# Altium PCB PCB6A.PcbDoc (part 2 of 2)
Units mm, origin at the board's own origin, x right, y up, seen from the top; angles counter-clockwise.
Board outline 80.71 x 74.12 mm, 4 copper layers (Top Layer, Ground, Power, Bottom Layer), stack 0.603 mm thick; 75 components, 88 nets, 326 pads, 660 vias.
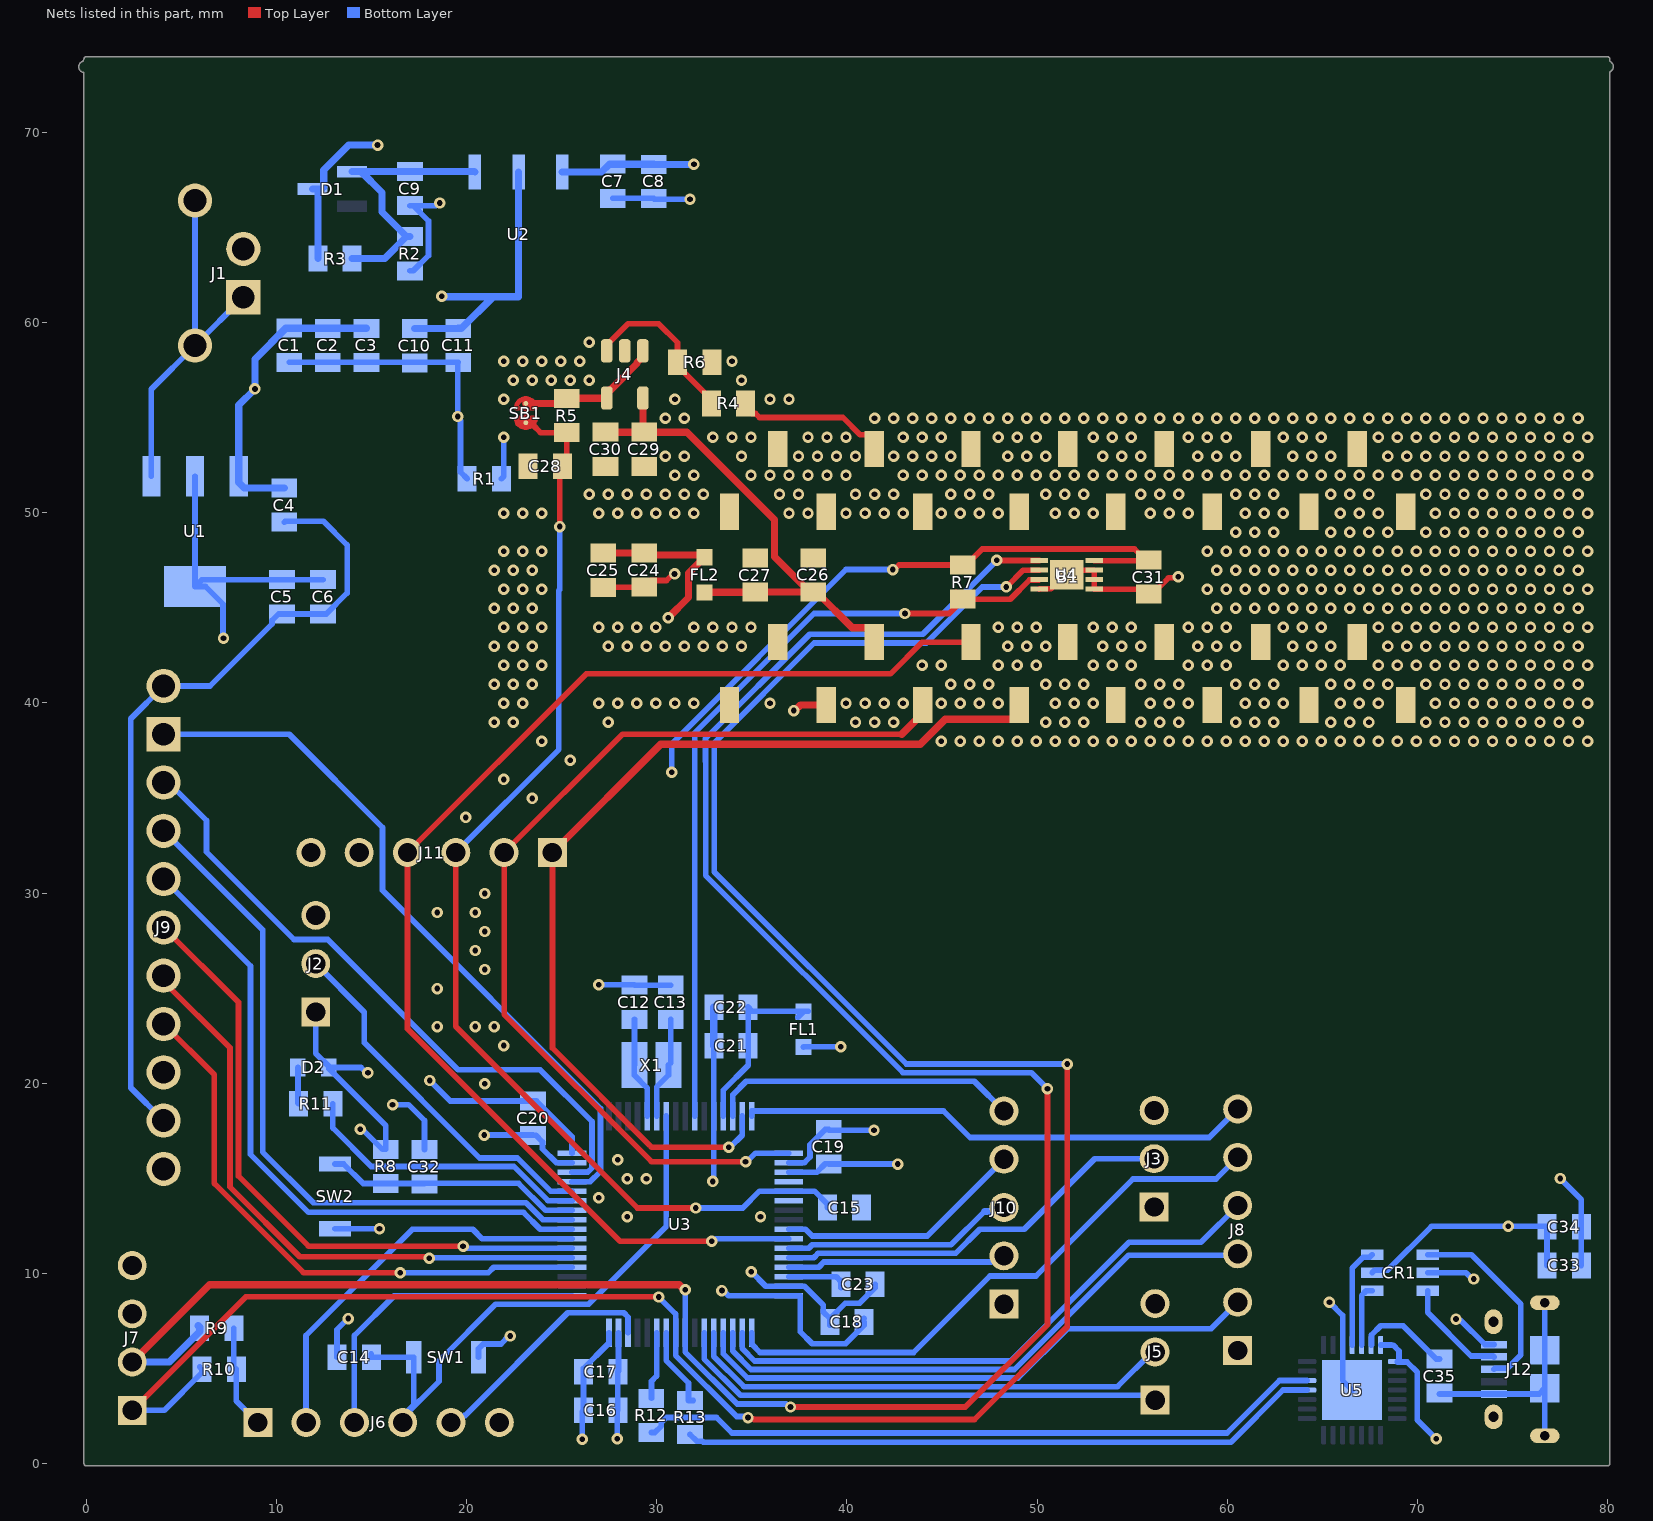
[diagram p4: the nets of this part, all layers, seen from the top]

## Via types
v1: diameter 0.6, hole 0.3, Top Layer to Bottom Layer, 660 vias

## Nets (pads, with @x,y where several pads share a name; then routed paths per layer and width w, separated by ;. In a path a pad name is that pad's centre, name@x,y a point inside that pad or via, vN(x,y) a via of type N, cw(c..) or ccw(c..) an arc to the next point about the centre after c; other vN are vias at no path point)
AGND: B1.6 B1.7 B1.8 B1.9 B1.10 B1.11 B1.12 B1.13 B1.14 B1.15 B1.16 B1.17 B1.18 B1.19 B1.20 B1.22 B1.G1 B1.G2 B1.G3 B1.G4 B1.G5 B1.G6 B1.G7 B1.G8 C15.1 C21.2 C22.2 C26.2 C27.2 C28.1 C29.2 C30.2 J4.2 R1.1 R6.2 U3.12 U3.20 U3.22 | length 11.4
  Bottom Layer w0.3: R1.1@21.83,51.791 21.955,51.916 v1(21.955,53.979) ; v1@32.954,14.823 v1(32.944,14.834) 32.992,14.882 U3.12@32.992,18.273 ; U3.12@33.001,18.282 C21.2@33.001,21.962
  Bottom Layer w0.381: C22.2@32.998,24.003 33.004,23.998 33.004,21.977 C21.2@33.009,21.971 C21.2@33.001,21.962
  other v1: 28.455,12.979 35.455,12.979 26.955,13.979 28.455,14.979 29.455,14.979 27.955,15.979 20.955,19.979 21.955,21.979 18.455,22.979 20.455,22.979 21.455,22.979 18.455,24.979 20.955,25.979 20.455,26.979 20.955,27.979 18.455,28.979 20.455,28.979 20.955,29.979 19.955,33.979 23.455,34.979 21.955,35.979 25.455,36.979 23.955,37.979 44.955,37.979 45.955,37.979 46.955,37.979 47.955,37.979 48.955,37.979 49.955,37.979 50.955,37.979 51.955,37.979 52.955,37.979 53.955,37.979 54.955,37.979 55.955,37.979 56.955,37.979 57.955,37.979 58.955,37.979 59.955,37.979 60.955,37.979 61.955,37.979 62.955,37.979 63.955,37.979 64.955,37.979 65.955,37.979 66.955,37.979 67.955,37.979 68.955,37.979 69.955,37.979 70.955,37.979 71.955,37.979 72.955,37.979 73.955,37.979 74.955,37.979 75.955,37.979 76.955,37.979 77.955,37.979 78.955,37.979 21.455,38.979 22.455,38.979 27.455,38.979 40.455,38.979 41.455,38.979 42.455,38.979 50.455,38.979 51.455,38.979 52.455,38.979 55.455,38.979 56.455,38.979 57.455,38.979 60.455,38.979 61.455,38.979 62.455,38.979 65.455,38.979 66.455,38.979 67.455,38.979 70.455,38.979 71.455,38.979 72.455,38.979 73.455,38.979 74.455,38.979 75.455,38.979 76.455,38.979 77.455,38.979 78.455,38.979 21.955,39.979 22.955,39.979 26.955,39.979 27.955,39.979 28.955,39.979 29.955,39.979 30.955,39.979 31.955,39.979 35.955,39.979 39.955,39.979 40.955,39.979 41.955,39.979 42.955,39.979 44.955,39.979 45.955,39.979 46.955,39.979 47.955,39.979 50.955,39.979 51.955,39.979 52.955,39.979 55.955,39.979 56.955,39.979 57.955,39.979 60.955,39.979 61.955,39.979 62.955,39.979 65.955,39.979 66.955,39.979 67.955,39.979 70.955,39.979 71.955,39.979 72.955,39.979 73.955,39.979 74.955,39.979 75.955,39.979 76.955,39.979 77.955,39.979 78.955,39.979 21.455,40.979 22.455,40.979 23.455,40.979 45.455,40.979 46.455,40.979 47.455,40.979 50.455,40.979 51.455,40.979 52.455,40.979 55.455,40.979 56.455,40.979 57.455,40.979 60.455,40.979 61.455,40.979 62.455,40.979 65.455,40.979 66.455,40.979 67.455,40.979 68.455,40.979 70.455,40.979 71.455,40.979 72.455,40.979 73.455,40.979 74.455,40.979 75.455,40.979 76.455,40.979 77.455,40.979 78.455,40.979 21.955,41.979 22.955,41.979 23.955,41.979 43.955,41.979 44.955,41.979 47.955,41.979 48.955,41.979 49.955,41.979 52.955,41.979 53.955,41.979 54.955,41.979 57.955,41.979 58.955,41.979 59.955,41.979 62.955,41.979 63.955,41.979 64.955,41.979 65.955,41.979 67.955,41.979 68.955,41.979 69.955,41.979 70.955,41.979 71.955,41.979 72.955,41.979 73.955,41.979 74.955,41.979 75.955,41.979 76.955,41.979 77.955,41.979 78.955,41.979 21.455,42.979 22.455,42.979 23.455,42.979 27.455,42.979 28.455,42.979 29.455,42.979 30.455,42.979 31.455,42.979 32.455,42.979 33.455,42.979 34.455,42.979 48.455,42.979 49.455,42.979 50.455,42.979 53.455,42.979 54.455,42.979 55.455,42.979 58.455,42.979 59.455,42.979 60.455,42.979 63.455,42.979 64.455,42.979 65.455,42.979 68.455,42.979 69.455,42.979 70.455,42.979 71.455,42.979 72.455,42.979 73.455,42.979 74.455,42.979 75.455,42.979 76.455,42.979 77.455,42.979 78.455,42.979 21.955,43.979 22.955,43.979 23.955,43.979 26.955,43.979 27.955,43.979 28.955,43.979 29.955,43.979 31.955,43.979 32.955,43.979 33.955,43.979 34.955,43.979 47.955,43.979 48.955,43.979 49.955,43.979 52.955,43.979 53.955,43.979 54.955,43.979 57.955,43.979 58.955,43.979 59.955,43.979 62.955,43.979 63.955,43.979 64.955,43.979 67.955,43.979 68.955,43.979 69.955,43.979 70.955,43.979 71.955,43.979 72.955,43.979 73.955,43.979 74.955,43.979 75.955,43.979 76.955,43.979 77.955,43.979 78.955,43.979 21.455,44.979 22.455,44.979 23.455,44.979 59.455,44.979 60.455,44.979 61.455,44.979 62.455,44.979 63.455,44.979 64.455,44.979 65.455,44.979 66.455,44.979 67.455,44.979 68.455,44.979 69.455,44.979 70.455,44.979 71.455,44.979 72.455,44.979 73.455,44.979 74.455,44.979 75.455,44.979 76.455,44.979 77.455,44.979 78.455,44.979 21.955,45.979 22.955,45.979 23.955,45.979 58.955,45.979 59.955,45.979 60.955,45.979 61.955,45.979 62.955,45.979 63.955,45.979 64.955,45.979 65.955,45.979 66.955,45.979 67.955,45.979 68.955,45.979 69.955,45.979 70.955,45.979 71.955,45.979 72.955,45.979 73.955,45.979 74.955,45.979 75.955,45.979 76.955,45.979 77.955,45.979 78.955,45.979 21.455,46.979 22.455,46.979 23.455,46.979 59.455,46.979 60.455,46.979 61.455,46.979 62.455,46.979 63.455,46.979 64.455,46.979 65.455,46.979 66.455,46.979 67.455,46.979 68.455,46.979 69.455,46.979 70.455,46.979 71.455,46.979 72.455,46.979 73.455,46.979 74.455,46.979 75.455,46.979 76.455,46.979 77.455,46.979 78.455,46.979 21.955,47.979 22.955,47.979 23.955,47.979 58.955,47.979 59.955,47.979 60.955,47.979 61.955,47.979 62.955,47.979 63.955,47.979 64.955,47.979 65.955,47.979 66.955,47.979 67.955,47.979 68.955,47.979 69.955,47.979 70.955,47.979 71.955,47.979 72.955,47.979 73.955,47.979 74.955,47.979 75.955,47.979 76.955,47.979 77.955,47.979 78.955,47.979 60.455,48.979 61.455,48.979 62.455,48.979 65.455,48.979 66.455,48.979 67.455,48.979 68.455,48.979 70.455,48.979 71.455,48.979 72.455,48.979 73.455,48.979 74.455,48.979 75.455,48.979 76.455,48.979 77.455,48.979 78.455,48.979 21.955,49.979 22.955,49.979 23.955,49.979 26.955,49.979 27.955,49.979 28.955,49.979 29.955,49.979 30.955,49.979 31.955,49.979 36.955,49.979 37.955,49.979 39.955,49.979 40.955,49.979 41.955,49.979 42.955,49.979 44.955,49.979 45.955,49.979 46.955,49.979 47.955,49.979 50.955,49.979 51.955,49.979 52.955,49.979 55.955,49.979 56.955,49.979 57.955,49.979 60.955,49.979 61.955,49.979 62.955,49.979 65.955,49.979 66.955,49.979 67.955,49.979 70.955,49.979 71.955,49.979 72.955,49.979 73.955,49.979 74.955,49.979 75.955,49.979 76.955,49.979 77.955,49.979 78.955,49.979 26.455,50.979 27.455,50.979 28.455,50.979 29.455,50.979 30.455,50.979 31.455,50.979 32.455,50.979 36.455,50.979 37.455,50.979 40.455,50.979 41.455,50.979 42.455,50.979 45.455,50.979 46.455,50.979 47.455,50.979 50.455,50.979 51.455,50.979 52.455,50.979 55.455,50.979 56.455,50.979 57.455,50.979 60.455,50.979 61.455,50.979 62.455,50.979 65.455,50.979 66.455,50.979 67.455,50.979 70.455,50.979 71.455,50.979 72.455,50.979 73.455,50.979 74.455,50.979 75.455,50.979 76.455,50.979 77.455,50.979 78.455,50.979 30.955,51.979 31.955,51.979 34.955,51.979 35.955,51.979 36.955,51.979 37.955,51.979 38.955,51.979 39.955,51.979 42.955,51.979 43.955,51.979 44.955,51.979 45.955,51.979 46.955,51.979 47.955,51.979 48.955,51.979 49.955,51.979 50.955,51.979 51.955,51.979 52.955,51.979 53.955,51.979 54.955,51.979 55.955,51.979 56.955,51.979 57.955,51.979 58.955,51.979 59.955,51.979 60.955,51.979 61.955,51.979 62.955,51.979 63.955,51.979 64.955,51.979 65.955,51.979 66.955,51.979 67.955,51.979 68.955,51.979 69.955,51.979 70.955,51.979 71.955,51.979 72.955,51.979 73.955,51.979 74.955,51.979 75.955,51.979 76.955,51.979 77.955,51.979 78.955,51.979 30.455,52.979 31.455,52.979 34.455,52.979 37.455,52.979 38.455,52.979 39.455,52.979 40.455,52.979 42.455,52.979 43.455,52.979 44.455,52.979 45.455,52.979 48.455,52.979 49.455,52.979 50.455,52.979 53.455,52.979 54.455,52.979 55.455,52.979 58.455,52.979 59.455,52.979 60.455,52.979 63.455,52.979 64.455,52.979 65.455,52.979 68.455,52.979 69.455,52.979 70.455,52.979 71.455,52.979 72.455,52.979 73.455,52.979 74.455,52.979 75.455,52.979 76.455,52.979 77.455,52.979 78.455,52.979 32.955,53.979 33.955,53.979 34.955,53.979 37.955,53.979 38.955,53.979 39.955,53.979 42.955,53.979 43.955,53.979 44.955,53.979 47.955,53.979 48.955,53.979 49.955,53.979 52.955,53.979 53.955,53.979 54.955,53.979 57.955,53.979 58.955,53.979 59.955,53.979 62.955,53.979 63.955,53.979 64.955,53.979 67.955,53.979 68.955,53.979 69.955,53.979 70.955,53.979 71.955,53.979 72.955,53.979 73.955,53.979 74.955,53.979 75.955,53.979 76.955,53.979 77.955,53.979 78.955,53.979 30.455,54.979 31.455,54.979 41.455,54.979 42.455,54.979 43.455,54.979 44.455,54.979 45.455,54.979 46.455,54.979 47.455,54.979 48.455,54.979 49.455,54.979 50.455,54.979 51.455,54.979 52.455,54.979 53.455,54.979 54.455,54.979 55.455,54.979 56.455,54.979 57.455,54.979 58.455,54.979 59.455,54.979 60.455,54.979 61.455,54.979 62.455,54.979 63.455,54.979 64.455,54.979 65.455,54.979 66.455,54.979 67.455,54.979 68.455,54.979 69.455,54.979 70.455,54.979 71.455,54.979 72.455,54.979 73.455,54.979 74.455,54.979 75.455,54.979 76.455,54.979 77.455,54.979 78.455,54.979 21.955,55.979 30.955,55.979 35.955,55.979 36.955,55.979 22.455,56.979 23.455,56.979 24.455,56.979 25.455,56.979 26.455,56.979 34.455,56.979 21.955,57.979 22.955,57.979 23.955,57.979 24.955,57.979 25.955,57.979 33.955,57.979 26.455,58.979
B_DIR: 
B_NENBL1: 
B_NENBL2: 
B_NSLP1: 
B_NSLP2: 
B_PELCTRL: 
B_STEP: 
BOOT1: J3.02 U3.28 | length 21.4
  Bottom Layer w0.3: U3.28@36.942,10.823 38.255,10.823 38.481,11.049 45.72,11.049 46.99,12.319 49.327,12.319 53.035,16.027 J3.02@56.159,16.027
GND: C1.1 C2.1 C3.1 C4.1 C5.1 C6.1 C7.1 C8.1 C9.1 C10.1 C11.1 C12.1 C13.1 C14.2 C16.2 C17.2 C18.2 C19.2 C20.2 C23.1 C24.1 C25.2 C31.1 C32.2 C33.1 C34.1 C35.1 CR1.2 J1.1 J1.MH1 J1.MH2 J2.03 J3.03 J5.03 J6.06 J7.04 J8.01 J9.9 J9.MH1 J9.MH2 J10.01 J11.06 J12.5 J12.SH1 J12.SH2 J12.SH3 J12.SH4 J12.SH5 J12.SH6 R1.2 R2.1 SW1.1 SW2.1 U1.1 U3.18 U3.31 U3.47 U3.63 U4.4 U4.5 U4.6 U4.7 U4.9 U5.3 U5.29 | length 165.4
  Top Layer w0.3: C25.2@27.353,46.079 C25.2@27.178,46.079 27.189,46.09 C24.1@29.337,46.09 29.687,46.44 30.509,46.44 30.856,46.787 v1(30.937,46.787) ; U4.4@50.12,45.985 50.143,46.008 50.736,46.008 51.463,46.735 U4.9@51.565,46.735 51.815,46.985 U4.7@53.01,46.985 U4.6@53.01,46.485 U4.5@53.01,45.985 55.615,45.985 C31.1@55.88,45.72 56.055,45.72 56.912,46.577 57.372,46.577 v1(57.429,46.634)
  Bottom Layer w0.3: U1.1@3.415,51.922 3.415,56.501 J1.MH1@5.715,58.801 ; J9.9@4.064,18.034 2.337,19.761 2.337,39.167 J9.MH1@4.064,40.894 6.499,40.894 9.762,44.157 9.762,44.332 10.112,44.682 C5.1@10.287,44.682 C6.1@12.446,44.682 12.621,44.682 13.716,45.777 13.716,48.311 12.471,49.555 10.461,49.555 C4.1@10.414,49.508 ; J1.MH2@5.715,66.421 J1.MH1@5.715,58.801 ; J1.1@8.255,61.341 J1.MH1@5.715,58.801 ; C1.1@10.668,57.912 19.547,57.912 C11.1@19.558,57.901 19.533,57.876 v1(19.533,55.067) 19.533,54.986 19.68,54.839 19.68,52.141 R1.2@20.03,51.791 ; SW2.1@13.081,12.348 13.083,12.346 15.416,12.346 v1(15.418,12.344) ; C14.2@13.186,5.588 13.186,7.039 v1(13.767,7.62) ; v1(16.104,18.872) 16.942,18.872 17.78,18.034 C32.2@17.78,16.51 ; R2.1@17.018,62.727 17.193,62.727 17.993,63.527 17.993,65.356 C9.1@17.193,66.156 ; C9.1@17.018,66.156 C9.1@17.193,66.156 ; v1(18.593,66.294) 18.512,66.294 18.374,66.156 C9.1@17.193,66.156 ; SW1.1@20.623,5.588 20.623,6.038 20.873,6.288 21.802,6.288 22.22,6.706 v1(22.301,6.706) ; v1(20.93,17.272) 23.484,17.272 C20.2@23.495,17.261 23.643,17.261 23.993,16.911 23.993,16.548 24.718,15.823 U3.63@25.542,15.823 ; v1(26.949,25.171) 28.815,25.171 C12.1@28.829,25.157 C13.1@30.734,25.157 ; C7.1@27.686,66.537 29.834,66.537 C8.1@29.845,66.526 29.874,66.497 v1(31.75,66.497) ; v1(27.915,1.295) 27.915,2.758 C16.2@27.951,2.794 C17.2@27.951,4.826 27.992,4.867 U3.47@27.992,6.873 ; v1(34.976,10.084) 35.737,9.323 U3.31@36.942,9.323 37.766,9.323 38.755,8.334 38.755,7.97 C18.2@39.105,7.62 ; U3.18@36.942,15.823 37.766,15.823 38.065,16.122 38.065,16.762 38.865,17.562 C19.2@39.04,17.562 39.076,17.526 v1(41.427,17.526) ; C18.2@39.105,7.27 C18.2@39.105,7.445 C18.2@39.105,7.62 ; C23.1@41.489,9.423 41.489,9.248 40.675,8.434 39.919,8.434 C18.2@39.105,7.62 ; v1(65.38,8.484) 66.073,7.79 66.073,4.361 U5.29@66.573,3.861 ; CR1.2@70.55,10.033 72.563,10.033 72.893,9.703 v1(72.974,9.703) ; C35.1@71.171,3.653 J12.5@74.033,3.653 76.408,3.653 J12.SH2@76.708,3.953 ; J12.SH4@76.708,1.453 J12.SH2@76.708,3.953 ; J12.SH1@76.708,8.453 J12.SH3@76.708,5.953 J12.SH2@76.708,3.953 ; v1(77.521,14.986) 78.624,13.883 C34.1@78.624,12.446 C33.1@78.624,10.414
GND2: 
NetB1_3: B1.3 J11.02 U3.17 | length 52.4
  Top Layer w0.3: v1(34.671,15.875) 29.718,15.875 21.971,23.622 J11.02@21.971,32.131 28.194,38.354 42.881,38.354
  Top Layer w0.381: 42.881,38.354 43.986,39.458 B1.3@43.986,39.898
  Bottom Layer w0.3: v1(34.671,15.875) 34.752,15.875 35.2,16.323 U3.17@36.942,16.323
NetB1_4: B1.4 J11.04 U3.26 | length 68.2
  Top Layer w0.3: v1(32.893,11.684) 28.067,11.684 16.891,22.86 J11.04@16.891,32.131 26.289,41.529 42.291,41.529 43.96,43.198 B1.4@46.526,43.198
  Bottom Layer w0.3: v1(32.893,11.684) 32.974,11.684 33.113,11.823 U3.26@36.942,11.823
NetB1_5: B1.5 J11.01 U3.15 | length 51.7
  Top Layer w0.3: J11.01@24.511,32.131 24.511,21.844 29.592,16.763 29.718,16.637 v1(33.782,16.637)
  Top Layer w0.381: J11.01@24.511,32.131 30.203,37.823 43.852,37.823 45.168,39.139 48.746,39.139 49.066,39.458 B1.5@49.066,39.898
  Bottom Layer w0.3: v1(33.782,16.637) 33.863,16.637 34.492,17.266 U3.15@34.492,18.273
NetB1_21: B1.21 R4.1 | length 8.1
  Top Layer w0.3: R4.1@34.671,55.753 34.671,55.578 35.021,55.228 35.196,55.228 35.408,55.016 39.788,55.016 40.698,54.106 41.086,54.106 41.446,53.746 B1.21@41.446,53.358
NetC9_2: C9.2 D1.1 R2.2 R3.2 U2.1 | length 14.9
  Bottom Layer w0.381: R3.2@13.981,63.373 15.689,63.373 R2.2@16.843,64.527 ; R2.2@17.018,64.527 R2.2@16.843,64.527 ; U2.1@20.434,67.92 20.398,67.956 C9.2@17.018,67.956 17.013,67.95 13.975,67.95 D1.1@13.97,67.945 14.453,67.945 15.55,66.847 15.55,65.82 R2.2@16.843,64.527
NetC12_2: C12.2 U3.5 X1.2 | length 5.4
  Bottom Layer w0.3: C12.2@28.829,23.357 28.829,20.966 X1.2@28.818,20.955 28.818,20.425 29.492,19.751 U3.5@29.492,18.273
NetC13_2: C13.2 U3.6 X1.1 | length 5.4
  Bottom Layer w0.3: U3.6@29.992,18.273 29.992,19.799 30.618,20.425 X1.1@30.618,20.955 30.734,21.071 C13.2@30.734,23.357
NetC14_1: C14.1 J6.04 SW1.2 U3.7 | length 30.6
  Bottom Layer w0.3: C14.1@14.986,5.763 C14.1@14.986,5.588 SW1.2@17.223,5.588 17.223,3.076 16.637,2.49 J6.04@16.637,2.413 ; J6.04@16.637,2.159 J6.04@16.637,2.413 ; U3.7@30.492,18.273 30.492,12.449 26.416,8.373 21.518,8.373 18.542,5.397 18.542,4.318 J6.04@16.637,2.413
NetC15_2: C15.2 C28.2 J11.03 R5.2 SB1.2 U3.21 | length 60.8
  Top Layer w0.3: J11.03@19.431,32.131 19.431,22.987 28.981,13.437 v1(32.055,13.437) ; 22.697,54.701 22.733,54.737 SB1.2@23.114,54.737 23.368,54.737 23.473,54.632 23.887,54.218 R5.2@25.273,54.218 25.273,52.694 C28.2@25.03,52.451 24.892,52.313 v1(24.892,49.276)
  Bottom Layer w0.3: J11.03@19.431,32.131 24.851,37.551 24.851,45.918 24.892,45.959 v1(24.892,49.276) ; v1(32.055,13.437) 34.519,13.437 35.405,14.323 U3.21@36.942,14.323 38.292,14.323 38.978,13.637 C15.2@38.978,13.462
NetC23_2: C23.2 U3.30 | length 3.1
  Bottom Layer w0.3: U3.30@36.942,9.823 39.442,9.823 C23.2@39.613,9.652 ; C23.2@39.689,9.248 C23.2@39.689,9.423 C23.2@39.689,9.598
NetC32_1: C32.1 R8.1 SW2.2 U3.58 | length 13.5
  Bottom Layer w0.3: SW2.2@13.081,15.748 13.531,15.748 14.558,14.721 R8.1@15.748,14.721 17.769,14.721 C32.1@17.78,14.71 ; C32.1@17.78,14.732 22.736,14.732 24.145,13.323 U3.58@25.542,13.323
NetC35_2: C35.2 U5.6 | length 5
  Bottom Layer w0.3: U5.6@67.573,6.231 67.593,6.251 67.593,6.752 68.08,7.239 69.254,7.239 70.996,5.497 C35.2@71.171,5.497
NetC44_2: 
NetCR1_1: CR1.1 J12.3 | length 10.4
  Bottom Layer w0.3: CR1.1@70.55,10.983 72.837,10.983 75.438,8.382 75.438,5.709 74.732,5.003 74.083,5.003 J12.3@74.033,4.953
NetCR1_3: CR1.3 J12.2 | length 5.6
  Bottom Layer w0.3: CR1.3@70.55,9.083 70.55,7.936 72.833,5.653 73.983,5.653 J12.2@74.033,5.603
NetCR1_4: CR1.4 U5.5 | length 3.3
  Bottom Layer w0.3: U5.5@67.073,6.231 67.073,8.838 67.318,9.083 CR1.4@67.626,9.083
NetCR1_6: CR1.6 U5.4 | length 5.4
  Bottom Layer w0.3: U5.4@66.573,6.231 66.573,10.27 67.157,10.854 67.497,10.854 CR1.6@67.626,10.983
NetD2_C: D2.C R11.2 | length 1.9
  Bottom Layer w0.3: D2.C@11.128,20.828 11.128,18.96 R11.2@11.165,18.923
NetD3_3: 
NetJ2_02: J2.02 U3.60 | length 19.4
  Bottom Layer w0.3: J2.02@12.065,26.289 14.62,23.734 14.62,22.134 20.683,16.071 22.67,16.071 24.418,14.323 U3.60@25.542,14.323
NetJ4_1: J4.1 J4.4 R5.1 SB1.1 | length 7.7
  Top Layer w0.381: SB1.1@23.114,55.753 25.008,55.753 R5.1@25.273,56.018 25.28,56.025 27.364,56.025 J4.4@27.371,56.032 27.371,56.342 27.48,56.452 27.554,56.452 28.961,57.859 28.961,57.902 29.271,58.212 J4.1@29.271,58.522
NetJ4_3: J4.3 R4.2 R6.1 | length 8.8
  Top Layer w0.3: J4.3@27.371,58.522 27.371,58.832 28.483,59.944 30.099,59.944 31.093,58.95 R6.1@31.093,57.912 31.093,57.737 32.521,56.309 32.521,56.103 R4.2@32.871,55.753
NetJ5_01: J5.01 U3.38 | length 26
  Bottom Layer w0.3: U3.38@32.492,6.873 32.492,5.503 34.403,3.592 55.946,3.592 J5.01@56.21,3.327
NetJ5_02: J5.02 U3.37 | length 25.7
  Bottom Layer w0.3: U3.37@32.992,6.873 32.992,5.64 34.59,4.042 54.232,4.042 J5.02@56.058,5.867
NetJ6_02: J6.02 U3.55 | length 21.1
  Bottom Layer w0.3: J6.02@11.557,2.159 11.557,6.731 17.145,12.319 20.32,12.319 20.816,11.823 U3.55@25.542,11.823
NetJ6_03: J6.03 U3.49 | length 16.9
  Bottom Layer w0.3: J6.03@14.097,2.159 14.097,6.731 16.189,8.823 U3.49@25.542,8.823
NetJ6_05: J6.05 U3.46 | length 12.6
  Bottom Layer w0.3: J6.05@19.177,2.159 19.508,2.159 19.875,2.526 19.925,2.526 25.322,7.923 28.266,7.923 28.492,7.697 U3.46@28.492,6.873
NetJ7_01: J7.01 R10.1 U3.41 U4.2 | length 126.7
  Top Layer w0.3: J7.01@2.413,2.794 8.382,8.763 30.094,8.763 v1(30.099,8.758) ; v1(34.798,2.413) 34.855,2.356 35.068,2.356 35.112,2.311 46.711,2.311 51.587,7.188 v1(51.587,21.006) ; v1(48.387,46.101) 49.271,46.985 U4.2@50.12,46.985
  Bottom Layer w0.3: J7.01@2.413,2.794 4.101,2.794 6.085,4.778 R10.1@6.085,4.953 R10.1@5.958,5.08 ; v1(30.099,8.758) 30.992,7.865 U3.41@30.992,6.873 30.992,5.681 34.203,2.47 34.741,2.47 v1(34.798,2.413) ; v1(48.387,46.101) 47.118,46.101 44.172,43.155 38.278,43.155 33.02,37.897 33.02,31.115 43.129,21.006 v1(51.587,21.006)
NetJ7_02: J7.02 R9.1 U3.40 U4.1 | length 124.4
  Top Layer w0.3: v1(37.033,2.972) 46.228,2.972 50.546,7.29 v1(50.546,19.71) ; v1(47.879,47.498) 47.885,47.492 50.114,47.492 U4.1@50.12,47.485
  Top Layer w0.381: J7.02@2.413,5.334 6.477,9.398 31.183,9.398 31.437,9.144 v1(31.496,9.144)
  Bottom Layer w0.3: U3.40@31.492,6.873 31.492,5.867 34.235,3.124 36.8,3.124 36.952,2.972 v1(37.033,2.972) ; U3.40@31.492,6.883 31.492,9.14 v1(31.496,9.144) ; v1(47.879,47.498) 43.993,43.612 38.049,43.612 32.563,38.125 32.563,36.932 32.57,36.924 32.57,30.929 42.943,20.556 49.701,20.556 v1(50.546,19.71)
  Bottom Layer w0.381: J7.02@2.413,5.334 4.355,5.334 5.958,6.937 R9.1@5.958,7.112 5.958,7.16 R9.1@5.879,7.239
NetJ8_02: J8.02 U3.36 | length 30.4
  Bottom Layer w0.3: U3.36@33.492,6.873 33.492,5.776 34.776,4.492 48.994,4.492 51.589,7.087 59.157,7.087 J8.02@60.608,8.538
NetJ8_03: J8.03 U3.35 | length 30.4
  Bottom Layer w0.3: U3.35@33.992,6.873 33.992,5.912 34.962,4.942 48.808,4.942 54.813,10.947 J8.03@60.554,10.947
NetJ8_04: J8.04 U3.34 | length 30.6
  Bottom Layer w0.3: U3.34@34.492,6.873 34.492,6.049 35.149,5.392 48.599,5.392 54.84,11.633 58.623,11.633 J8.04@60.616,13.626
NetJ8_05: J8.05 U3.33 | length 31
  Bottom Layer w0.3: U3.33@34.992,6.873 34.992,6.273 35.002,6.273 35.433,5.842 43.51,5.842 47.528,9.86 49.941,9.86 55.047,14.965 59.415,14.965 J8.05@60.857,16.407
NetJ8_06: J8.06 U3.16 | length 27.2
  Bottom Layer w0.3: U3.16@34.992,18.273 34.992,18.542 45.085,18.542 46.482,17.145 59.055,17.145 J8.06@60.702,18.792
NetJ9_1: J9.1 U3.61 | length 38.1
  Bottom Layer w0.3: J9.1@4.064,38.354 10.668,38.354 15.575,33.447 15.575,30.145 27.042,18.678 27.042,15.362 26.503,14.823 U3.61@25.542,14.823
NetJ9_2: J9.2 U3.62 | length 34.5
  Bottom Layer w0.3: J9.2@4.064,35.814 4.318,35.814 6.315,33.817 6.315,32.166 10.922,27.559 12.7,27.559 19.558,20.701 23.875,20.701 26.592,17.984 26.592,15.549 26.366,15.323 U3.62@25.542,15.323
NetJ9_3: J9.3 U3.57 | length 36.8
  Bottom Layer w0.3: J9.3@4.064,33.274 9.271,28.067 9.271,16.383 11.938,13.716 23.115,13.716 24.008,12.823 U3.57@25.542,12.823
NetJ9_4: J9.4 U3.56 | length 34.9
  Bottom Layer w0.3: J9.4@4.064,30.734 8.636,26.162 8.636,16.256 11.684,13.208 22.987,13.208 23.872,12.323 U3.56@25.542,12.323
NetJ9_5: J9.5 U3.54 | length 33.8
  Top Layer w0.3: J9.5@4.064,28.194 8.001,24.257 8.001,15.113 11.684,11.43 v1(19.812,11.43)
  Bottom Layer w0.3: v1(19.812,11.43) 19.893,11.43 20,11.323 U3.54@25.542,11.323
NetJ9_6: J9.6 U3.53 | length 32.1
  Top Layer w0.3: J9.6@4.064,25.654 4.064,25.355 7.551,21.868 7.551,14.547 11.222,10.876 17.741,10.876 17.764,10.852 17.977,10.852 v1(18.034,10.795)
  Bottom Layer w0.3: v1(18.034,10.795) 18.062,10.823 U3.53@25.542,10.823
NetJ9_7: J9.7 U3.52 | length 30.4
  Top Layer w0.3: J9.7@4.064,23.114 6.731,20.447 6.731,14.731 11.423,10.038 v1(16.51,10.038)
  Bottom Layer w0.3: v1(16.51,10.038) 21.143,10.038 21.428,10.323 U3.52@25.542,10.323
NetJ10_02: J10.02 U3.29 | length 11.6
  Bottom Layer w0.3: U3.29@36.942,10.323 38.517,10.323 38.786,10.592 47.599,10.592 47.929,10.922 J10.02@48.26,10.922
NetJ10_03: J10.03 U3.27 | length 12.2
  Bottom Layer w0.3: U3.27@36.942,11.323 37.993,11.323 38.176,11.506 45.479,11.506 47.231,13.259
  Bottom Layer w0.381: 47.231,13.259 48.057,13.259 J10.03@48.26,13.462
NetJ10_04: J10.04 U3.25 | length 13.1
  Bottom Layer w0.3: U3.25@36.942,12.323 37.818,12.323 38.177,11.964 44.222,11.964 J10.04@48.26,16.002
NetJ10_05: J10.05 U3.14 | length 16.3
  Bottom Layer w0.3: U3.14@33.992,18.273 33.992,19.387 34.711,20.106 46.696,20.106 J10.05@48.26,18.542
NetJ13_1: 
NetJ15_1: 
NetJ15_2: 
NetJ15_3: 
NetJ15_4: 
NetJ17_1: 
NetJ17_2: 
NetJ17_3: 
NetJ17_4: 
NetP1_2: 
NetP1_3: 
NetP1_4: 
NetP2_2: 
NetP2_3: 
NetP2_4: 
NetQ1_1: 
NetR7_1: R7.1 U3.10 U4.3 | length 42.3
  Top Layer w0.3: v1(43.053,44.704) 45.385,44.704 R7.1@46.016,45.335 ; R7.1@45.751,45.805 R7.1@46.101,45.455 ; R7.1@45.85,45.204 R7.1@46.101,45.455 ; U4.3@50.12,46.485 50.098,46.462 49.597,46.462 48.59,45.455 R7.1@46.101,45.455
  Bottom Layer w0.3: U3.10@31.992,18.273 31.992,38.418 38.278,44.704 v1(43.053,44.704)
NetR11_1: R11.1 U3.59 | length 15.4
  Bottom Layer w0.3: R11.1@12.965,18.923 12.965,18.748 12.965,17.642 14.986,15.621 22.483,15.621 24.281,13.823 U3.59@25.542,13.823
NetR12_1: R12.1 U5.26 | length 36.4
  Bottom Layer w0.3: R12.1@29.718,1.629 29.893,1.629 30.243,1.979 30.243,2.154 30.502,2.413 33.147,2.413 33.96,1.6 59.995,1.6 62.755,4.361 U5.26@64.203,4.361
NetR12_2: R12.2 U3.43 | length 3.6
  Bottom Layer w0.3: R12.2@29.718,3.429 29.718,4.329 29.992,4.603 U3.43@29.992,6.873
NetR13_1: R13.1 U3.42 | length 4.3
  Bottom Layer w0.3: U3.42@30.492,6.873 30.492,5.412 31.671,4.233 31.671,3.313 R13.1@31.914,3.313
NetR13_2: R13.2 U5.25 | length 33.8
  Bottom Layer w0.3: R13.2@31.75,1.524 32.1,1.174 32.394,1.174 32.451,1.118 60.198,1.118 62.941,3.861 U5.25@64.203,3.861
NetR18_1: 
PGND2: 
VBB2: 
VCC: C1.2 C2.2 C3.2 C4.2 C7.2 C8.2 J1.2 U1.3 U2.3 | length 23
  Bottom Layer w0.381: C4.2@10.414,51.308 8.3,51.308 8.015,51.593 U1.3@8.015,51.922 8.015,55.665 v1(8.865,56.515) 8.865,58.084 10.493,59.712 C1.2@10.668,59.712 10.673,59.706 14.726,59.706 C3.2@14.732,59.701 ; U2.3@25.032,67.92 27.094,67.92 27.511,68.337 C7.2@27.686,68.337 27.691,68.331 29.84,68.331 C8.2@29.845,68.326 v1(31.953,68.326)
VDD: C5.2 C6.2 C16.1 C17.1 C18.1 C19.1 C20.1 C31.2 D2.A FL1.2 J2.01 J3.01 J6.01 J7.03 J9.8 J11.05 R7.2 R8.2 R9.2 R10.2 U1.2 U1.4 U3.19 U3.32 U3.48 U3.64 U4.8 | length 102.8
  Top Layer w0.3: v1(42.418,47.015) 42.499,47.015 42.739,47.255 R7.2@46.101,47.255 46.276,47.255 47.119,48.098 55.127,48.098 C31.2@55.74,47.485 ; U4.8@53.01,47.485 C31.2@55.74,47.485 ; C31.2@55.88,47.52 55.845,47.485 C31.2@55.74,47.485
  Bottom Layer w0.3: U1.2@5.715,51.922 U1.4@5.715,46.122 ; v1(7.214,43.409) 7.19,43.432 7.19,45.197 6.265,46.122 U1.4@5.715,46.122 ; R9.2@7.758,7.112 7.758,5.08 R10.2@7.885,4.953 7.885,3.291 J6.01@9.017,2.159 ; J2.01@12.065,23.749 12.065,21.571 12.748,20.888 D2.A@12.748,20.828 ; C6.2@12.446,46.482 C5.2@10.287,46.482 6.075,46.482 U1.4@5.715,46.122 ; v1(14.402,17.577) 14.459,17.519 14.575,17.519 15.573,16.521 R8.2@15.748,16.521 15.748,17.768 12.748,20.768 D2.A@12.748,20.828 ; v1(14.808,20.549) 14.727,20.549 14.448,20.828 D2.A@12.748,20.828 ; v1(18.059,20.142) 19.141,19.061 C20.1@23.495,19.061 23.67,19.061 25.542,17.189 U3.64@25.542,16.323 ; v1(26.086,1.27) 26.086,2.729 C16.1@26.151,2.794 C17.1@26.151,4.826 26.151,5.001 27.423,6.273 27.492,6.273 U3.48@27.492,6.873 ; v1(30.785,36.347) 30.785,37.847 39.953,47.015 v1(42.418,47.015) ; v1(33.426,9.093) 33.508,9.093 33.778,8.823 U3.32@36.942,8.823 37.542,8.823 37.542,6.933 38.176,6.299 39.934,6.299 40.905,7.27 C18.1@40.905,7.445 ; U3.19@36.942,15.323 38.425,15.323 38.865,15.762 C19.1@39.04,15.762 39.054,15.748 v1(42.672,15.748) ; FL1.2@37.719,21.905 37.727,21.913 39.667,21.913 v1(39.675,21.92) ; C18.1@40.573,7.288 C18.1@40.905,7.62
VDD2: 
VDDA: C21.1 C22.1 FL1.1 U3.13 | length 9.9
  Bottom Layer w0.3: U3.13@33.492,18.273 33.492,19.624 34.809,20.941 C21.1@34.809,21.971 C22.1@34.809,23.992 ; C22.1@34.798,24.003 C22.1@34.809,23.992 ; FL1.1@37.429,23.47 FL1.1@37.719,23.76 ; FL1.1@37.973,23.789 37.973,23.785 37.719,23.785 37.715,23.789 35.012,23.789 C22.1@34.809,23.992
VTCD: B1.1 C10.2 C11.2 C24.2 C25.1 D1.3 FL2.2 R3.1 U2.2 U2.4 | length 35.3
  Top Layer w0.381: C25.1@27.178,47.879 27.183,47.884 29.332,47.884 C24.2@29.337,47.89 29.449,47.778 32.4,47.778 FL2.2@32.512,47.665 32.512,47.661 31.674,46.823 31.674,45.542 v1(30.607,44.475) ; v1(37.211,39.599) 37.27,39.599 37.57,39.898 B1.1@38.906,39.898
  Bottom Layer w0.381: D1.3@11.887,67.03 D1.3@12.067,67.03 ; R3.1@12.181,63.373 12.181,66.916 D1.3@12.067,67.03 ; v1(15.316,69.342) 13.793,69.342 12.484,68.033 12.484,67.144 12.37,67.03 D1.3@12.067,67.03 ; C10.2@17.272,59.69 17.277,59.695 19.553,59.695 C11.2@19.558,59.701 19.733,59.701 21.398,61.366 ; v1(18.694,61.392) 18.72,61.366 21.398,61.366 ; U2.2@22.733,67.92 U2.4@22.733,61.366 21.398,61.366
VTCDA: B1.2 C26.1 C27.1 C29.1 C30.1 FL2.1 J4.5 | length 27.2
  Top Layer w0.381: C30.1@27.305,54.24 C29.1@29.337,54.24 ; J4.5@29.271,56.032 29.271,54.306 C29.1@29.337,54.24 ; FL2.1@32.512,45.807 32.521,45.816 35.17,45.816 C27.1@35.179,45.825 35.184,45.831 38.222,45.831 C26.1@38.227,45.836 ; B1.2@41.446,43.638 41.126,43.958 40.28,43.958 38.402,45.836 C26.1@38.227,45.836 ; C29.1@29.337,54.24 31.586,54.24 36.194,49.631 36.194,47.694 38.052,45.836 C26.1@38.227,45.836
VUSB: C33.2 C34.2 CR1.5 J12.1 U5.7 U5.8 | length 21.7
  Bottom Layer w0.3: CR1.5@67.626,10.033 67.755,10.162 68.44,10.162 70.749,12.471 v1(74.778,12.471) 76.799,12.471 C34.2@76.824,12.446 C33.2@76.824,10.414 ; U5.7@68.073,6.231 68.648,6.231 68.656,6.223 68.732,6.223 69.037,5.918 69.037,5.381 69.017,5.361 U5.8@68.943,5.361 68.963,5.341 69.465,5.341 70.002,4.803 70.002,2.286 v1(70.993,1.295) ; v1(72.034,7.595) 72.092,7.537 72.274,7.537 73.558,6.253 J12.1@74.033,6.253
pads on no net: D1.2 J12.4 U3.1 U3.2 U3.3 U3.4 U3.8 U3.9 U3.11 U3.23 U3.24 U3.39 U3.44 U3.45 U3.50 U3.51 U5.1 U5.2 U5.9 U5.10 U5.11 U5.12 U5.13 U5.14 U5.15 U5.16 U5.17 U5.18 U5.19 U5.20 U5.21 U5.22 U5.23 U5.24 U5.27 U5.28

## Polygon pours and split planes (outlines as drawn)
AGND on Bottom Layer "AGND_L04_P002" (solid, remove dead copper, pour order 2): 17.259,30.886 17.361,30.785 21.577,30.785 21.577,33.706 21.603,33.731 21.653,33.68 22.974,33.68 26.2,36.906 26.2,40.665 26.2,50.724 21.069,50.724 21.069,50.419 21.069,35.877 17.239,32.048
AGND on Bottom Layer "AGND_L04_P001" (solid, remove dead copper, pour order 1): 42.037,15.011 42.037,12.141 31.369,12.141 31.369,15.011
AGND on Top Layer "AGND_L01_P000" (solid, remove dead copper, pour order 0): 21.107,58.725 21.107,37.719 17.247,33.858 17.247,23.038 28.143,12.141 42.037,12.141 42.037,15.088 30.124,15.088 21.59,23.724 21.59,33.706 23.063,33.706 28.092,38.735 28.143,38.684 37.694,38.684 37.694,37.211 50.038,37.211 53.34,37.211 79.578,37.211 79.578,56.337 37.296,56.337 34.315,59.318 34.315,60.63 25.298,60.63 25.298,58.725 22.657,58.725
VDD on Power (split plane): 229 vertices, not listed, extent 0.383,0.383 79.617,56.232
VCC on Power (split plane): 201 vertices, not listed, extent 0.383,48.282 79.617,73.155
VUSB on Power (split plane): 79.617,0.383 65.097,0.383 65.097,13.338 79.617,13.338
VTCD on Power (split plane): 23.829,68.455 23.829,66.04 23.834,65.981 23.851,65.925 23.879,65.873 23.917,65.827 30.047,59.697 30.092,59.66 30.144,59.632 30.201,59.615 30.26,59.609 34.232,59.609 34.283,59.288 34.293,59.249 34.301,59.21 34.468,58.697 34.484,58.66 34.499,58.623 34.743,58.142 34.765,58.109 34.785,58.074 35.102,57.638 35.129,57.608 35.154,57.577 35.536,57.195 35.567,57.17 35.597,57.143 36.033,56.826 36.068,56.806 36.101,56.784 36.582,56.539 36.619,56.525 36.656,56.509 37.169,56.342 37.208,56.333 37.247,56.323 37.779,56.239 37.819,56.236 37.859,56.232 38.128,56.232 38.129,56.232 38.13,56.232 43.006,56.232 43.006,40.384 41.404,38.782 29.919,38.782 20.508,48.194 20.462,48.231 20.41,48.259 20.353,48.276 20.295,48.282 16.303,48.282 16.303,60.325 16.298,60.384 16.281,60.44 16.253,60.492 16.215,60.538 15.453,61.3 15.407,61.338 15.355,61.366 15.299,61.383 15.24,61.388 11.809,61.388 10.207,62.99 10.207,68.074 12.317,70.184 22.1,70.184
GND on Ground (split plane): 397 vertices, not listed, extent 0.381,0.383 79.617,73.181
AGND on Ground (split plane): 34.198,59.821 34.283,59.288 34.293,59.249 34.301,59.21 34.468,58.697 34.484,58.66 34.499,58.623 34.743,58.142 34.765,58.109 34.785,58.074 35.102,57.638 35.129,57.608 35.154,57.577 35.536,57.195 35.567,57.17 35.597,57.143 36.033,56.826 36.068,56.806 36.101,56.784 36.582,56.539 36.619,56.525 36.656,56.509 37.169,56.342 37.208,56.333 37.247,56.323 37.779,56.239 37.819,56.236 37.859,56.232 38.128,56.232 38.129,56.232 38.13,56.232 79.617,56.232 79.617,37.238 38.13,37.238 37.86,37.238 37.82,37.234 37.78,37.232 37.248,37.147 37.209,37.137 37.17,37.128 36.657,36.962 36.62,36.946 36.583,36.931 36.102,36.686 36.068,36.665 36.034,36.644 35.597,36.327 35.567,36.301 35.536,36.275 35.155,35.894 35.129,35.863 35.103,35.833 34.786,35.396 34.765,35.362 34.744,35.328 34.499,34.847 34.484,34.81 34.468,34.773 34.302,34.26 34.293,34.221 34.283,34.182 34.232,33.861 22.047,33.861 21.988,33.855 21.932,33.838 21.88,33.81 21.834,33.773 21.797,33.727 21.769,33.675 21.752,33.619 21.746,33.56 21.746,23.52 21.752,23.462 21.769,23.405 21.797,23.353 21.834,23.307 30.292,14.849 30.338,14.812 30.39,14.784 30.447,14.767 30.505,14.761 41.482,14.761 41.482,12.62 27.481,12.62 17.675,22.426 17.675,33.429 26.426,42.179 26.463,42.225 26.491,42.277 26.508,42.334 26.514,42.393 26.514,44.403 57.968,44.403 57.999,44.377 58.051,44.349 58.107,44.332 58.166,44.326 58.225,44.332 58.281,44.349 58.333,44.377 58.379,44.415 58.417,44.46 58.445,44.512 58.462,44.569 58.467,44.628 58.467,48.463 58.462,48.522 58.445,48.579 58.417,48.631 58.379,48.676 58.333,48.714 58.281,48.742 58.225,48.759 58.166,48.765 21.358,48.765 21.358,59.846 34.197,59.846

## Keep-outs
Keep-Out Layer:
  lines w0.6: 0.127,73.47 80.01,73.47

## Other copper
Ground (plane layer: these items are gaps in the copper):
  lines w0.6: -0.025,73.482 79.908,73.482 ; 34.83,33.56 22.047,33.56 22.047,23.52 30.505,15.062 41.783,15.062 41.783,12.319 27.356,12.319 17.374,22.301 17.374,33.553 26.213,42.393 26.213,44.704 58.09,44.704 58.166,44.628 58.166,48.463 21.057,48.463 21.057,60.147 34.332,60.147 34.871,60.686
Power (plane layer: these items are gaps in the copper):
  lines w0.6: -0.102,73.457 79.934,73.457 ; -0.051,47.981 11.709,47.981 20.295,47.981 29.794,38.481 41.529,38.481 43.307,40.259 43.307,56.642 ; 14.834,73.457 15.265,73.457 ; 16.002,47.981 16.002,60.325 15.24,61.087 11.684,61.087 9.906,62.865 9.906,68.199 12.192,70.485 22.225,70.485 24.13,68.58 24.13,66.04 30.26,59.91 34.83,59.91 ; 64.795,0.102 64.795,13.564 ; 64.795,13.64 79.959,13.64

## Silkscreen, mask and mechanical layers (free items; w line width, h text height)
Bottom Overlay:
  text "CS2" at 65.432,18.972 h0.8
  text "CS1" at 65.229,17.728 h0.8
  text "CLK" at 65.178,16.381 h0.8
  text "MISO" at 65.076,15.137 h0.8
  text "MOSI" at 62.686,11.327 h0.8 r270
  text "GND" at 62.355,4.723 h0.8 r270
Mechanical 1:
  circle w0.254: c56.483,28.382 r1.6
  circle w0.254: c46.647,28.382 r1.6
  circle w0.254: c56.483,65.088 r1.6
  circle w0.254: c46.647,65.088 r1.6
  circle w0.254: c51.565,46.735 r25
  circle w0.254: c51.565,46.735 r0.25
  pour cut-out: 56.483,63.488 cw(c56.483,65.088) 54.883,65.088 cw(c56.483,65.088) 56.483,66.688 cw(c56.483,65.088) 58.083,65.088 cw(c56.483,65.088)
  pour cut-out: 54.883,28.382 ccw(c56.483,28.382) 56.483,26.782 ccw(c56.483,28.382) 58.083,28.382 ccw(c56.483,28.382) 56.483,29.982 ccw(c56.483,28.382)
  pour cut-out: 46.647,63.488 cw(c46.647,65.088) 45.047,65.088 cw(c46.647,65.088) 46.647,66.688 cw(c46.647,65.088) 48.247,65.088 cw(c46.647,65.088)
  pour cut-out: 45.047,28.382 ccw(c46.647,28.382) 46.647,26.782 ccw(c46.647,28.382) 48.247,28.382 ccw(c46.647,28.382) 46.647,29.982 ccw(c46.647,28.382)
  lines w0.254: 38.13,30 cw(c38.13,33.3) 38.13,36.6 ; 38.13,30 80,30 80,36.6 38.13,36.6 ; 38.13,30 38.13,36.6 ; 38.13,56.87 cw(c38.13,60.17) 38.13,63.47 ; 38.13,56.87 80,56.87 80,63.47 38.13,63.47 ; 38.13,56.87 38.13,63.47 ; 0,0 80,0 80,73.863 0,73.863 0,0
  lines w0.6: 49.785,46.735 51.565,46.735 ; 51.565,44.58 51.565,46.58 ; 51.565,48.735 51.565,46.735 ; 53.565,46.735 51.565,46.735

## Text inside footprints (layer, text, board x,y; h text height)
CR1: Bottom Overlay "*" at 71.122,11.414 h0.8; Mechanical 13 "*" at 69.901,10.211 h0.8